# Altium PCB PCB2.PcbDoc
Units mm, origin at the board's own origin, x right, y up, seen from the top; angles counter-clockwise.
Board outline 288.16 x 236.47 mm, 2 copper layers (Top Layer, Bottom Layer); 322 components, 304 nets, 768 pads, 0 vias.
Unrouted connection lines stored in the file: 438.
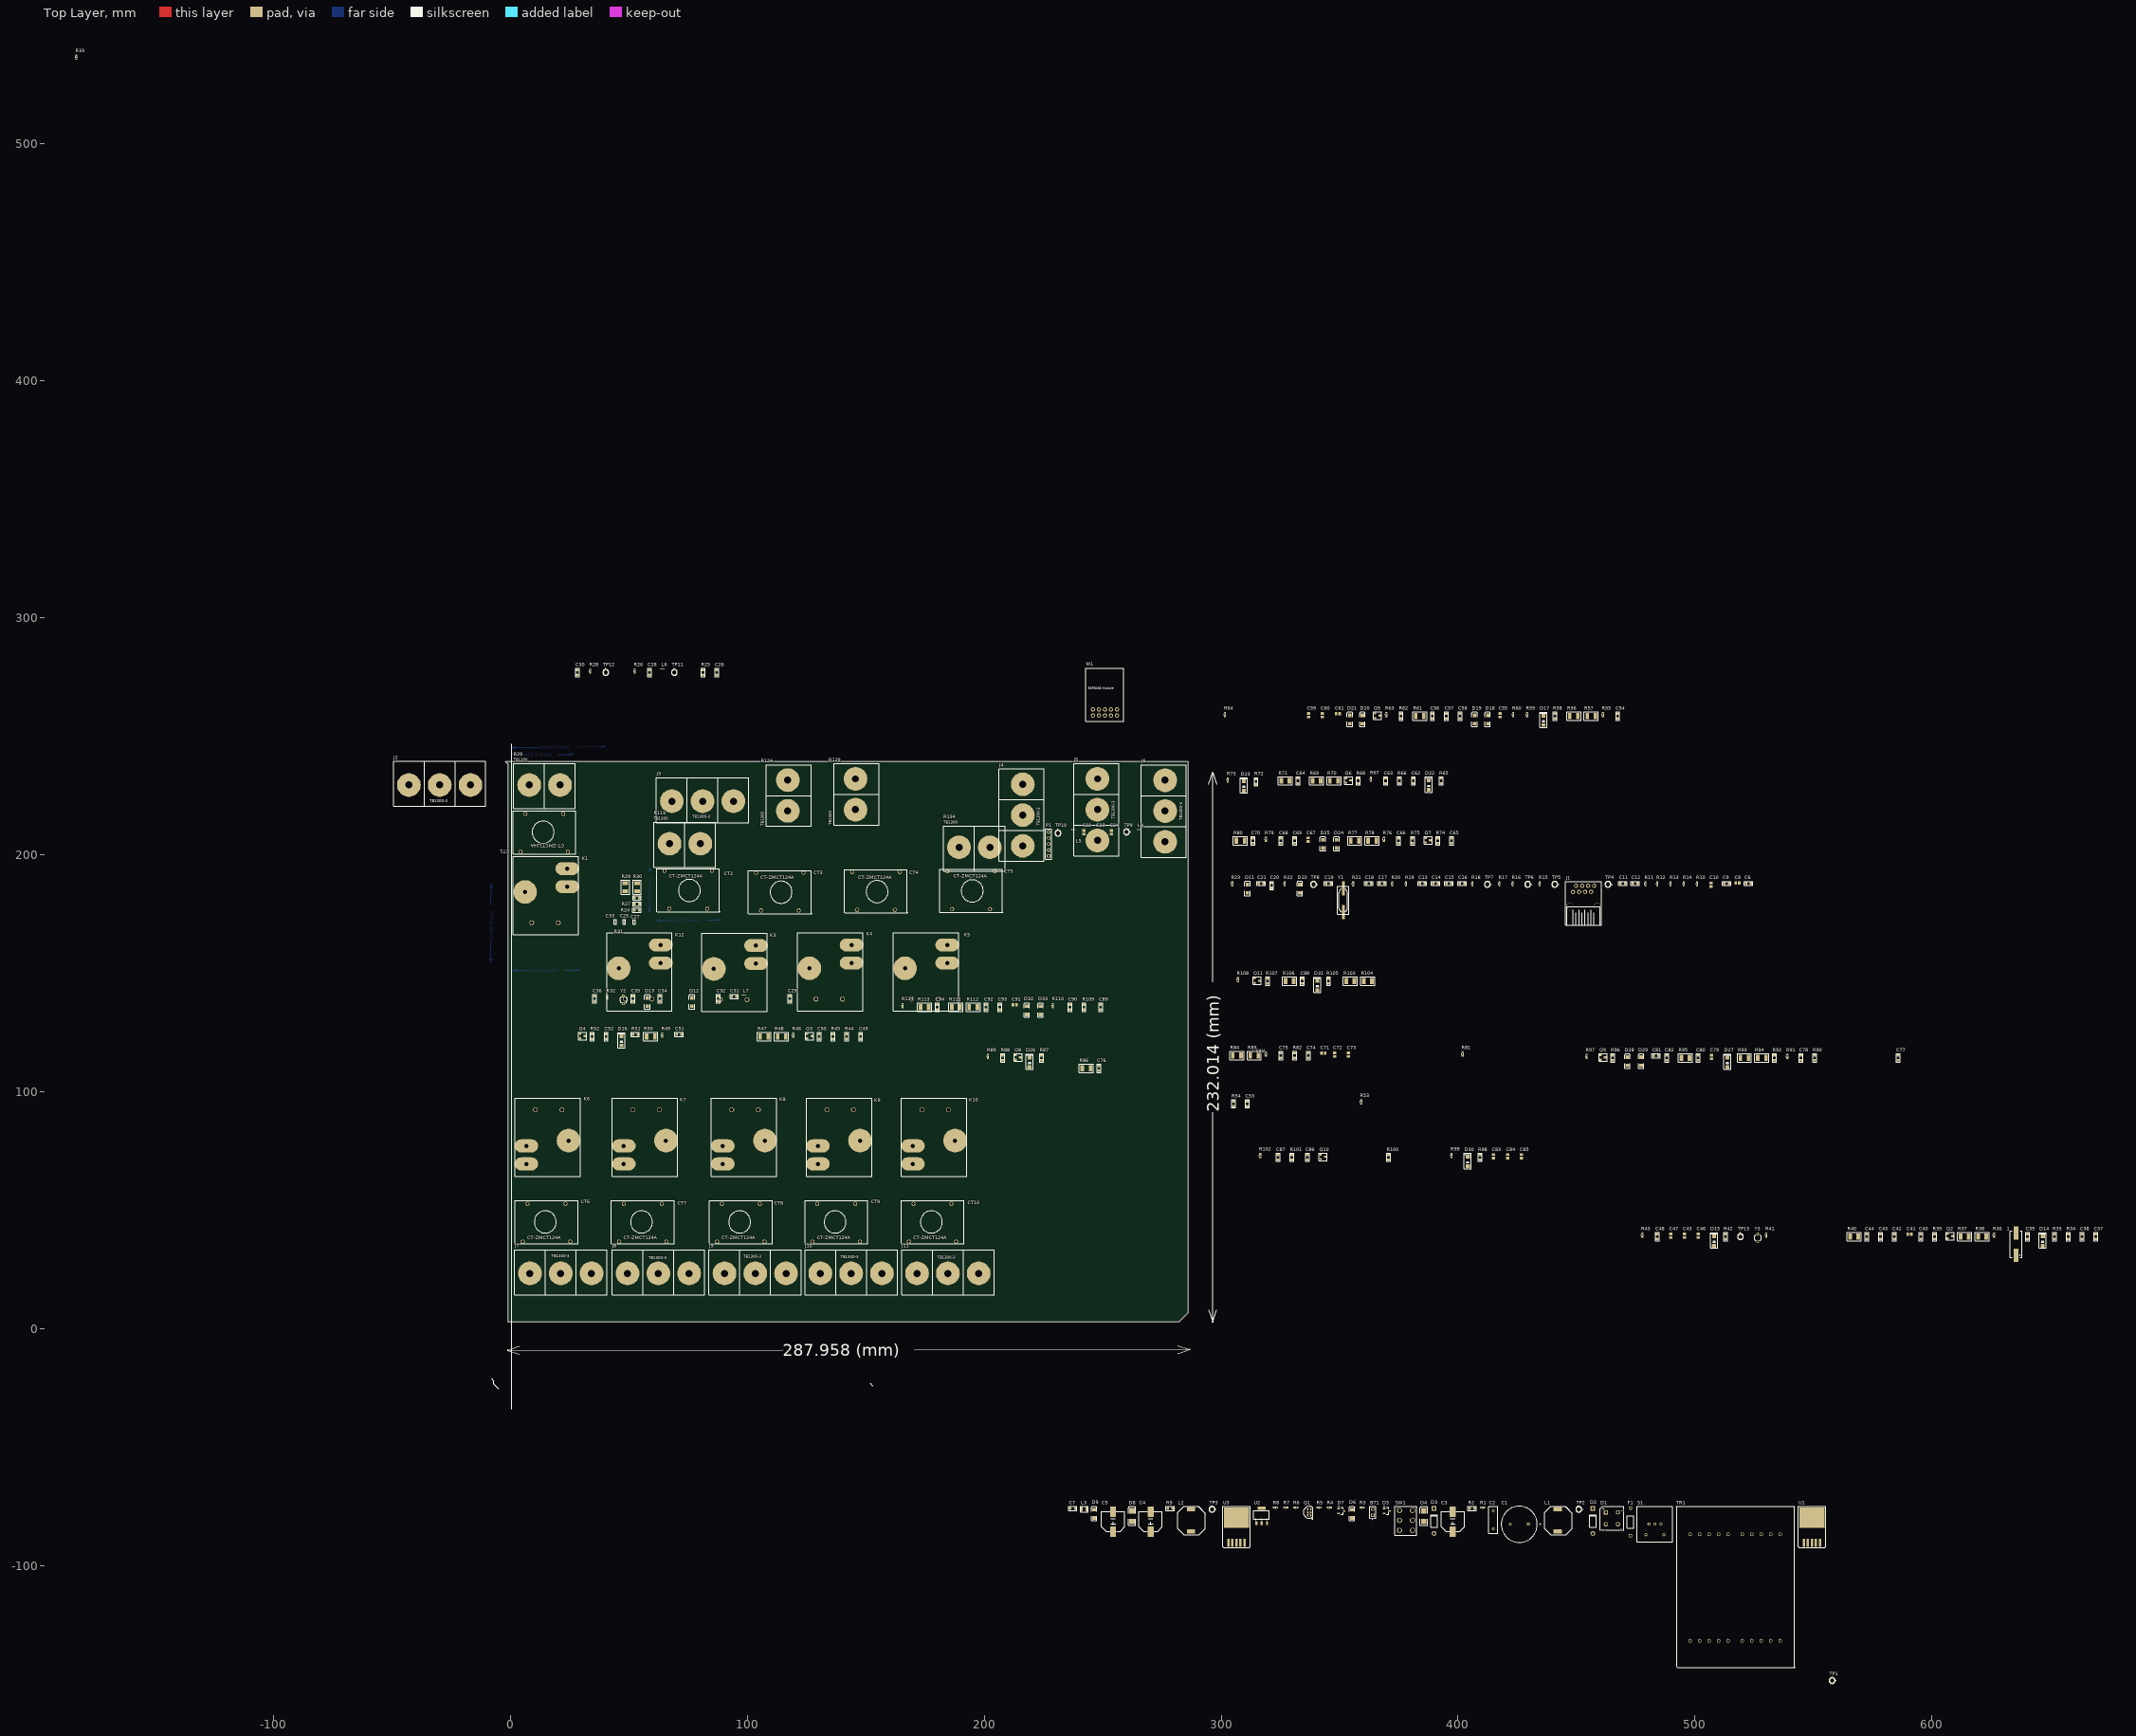
[diagram p0: Top Layer view]
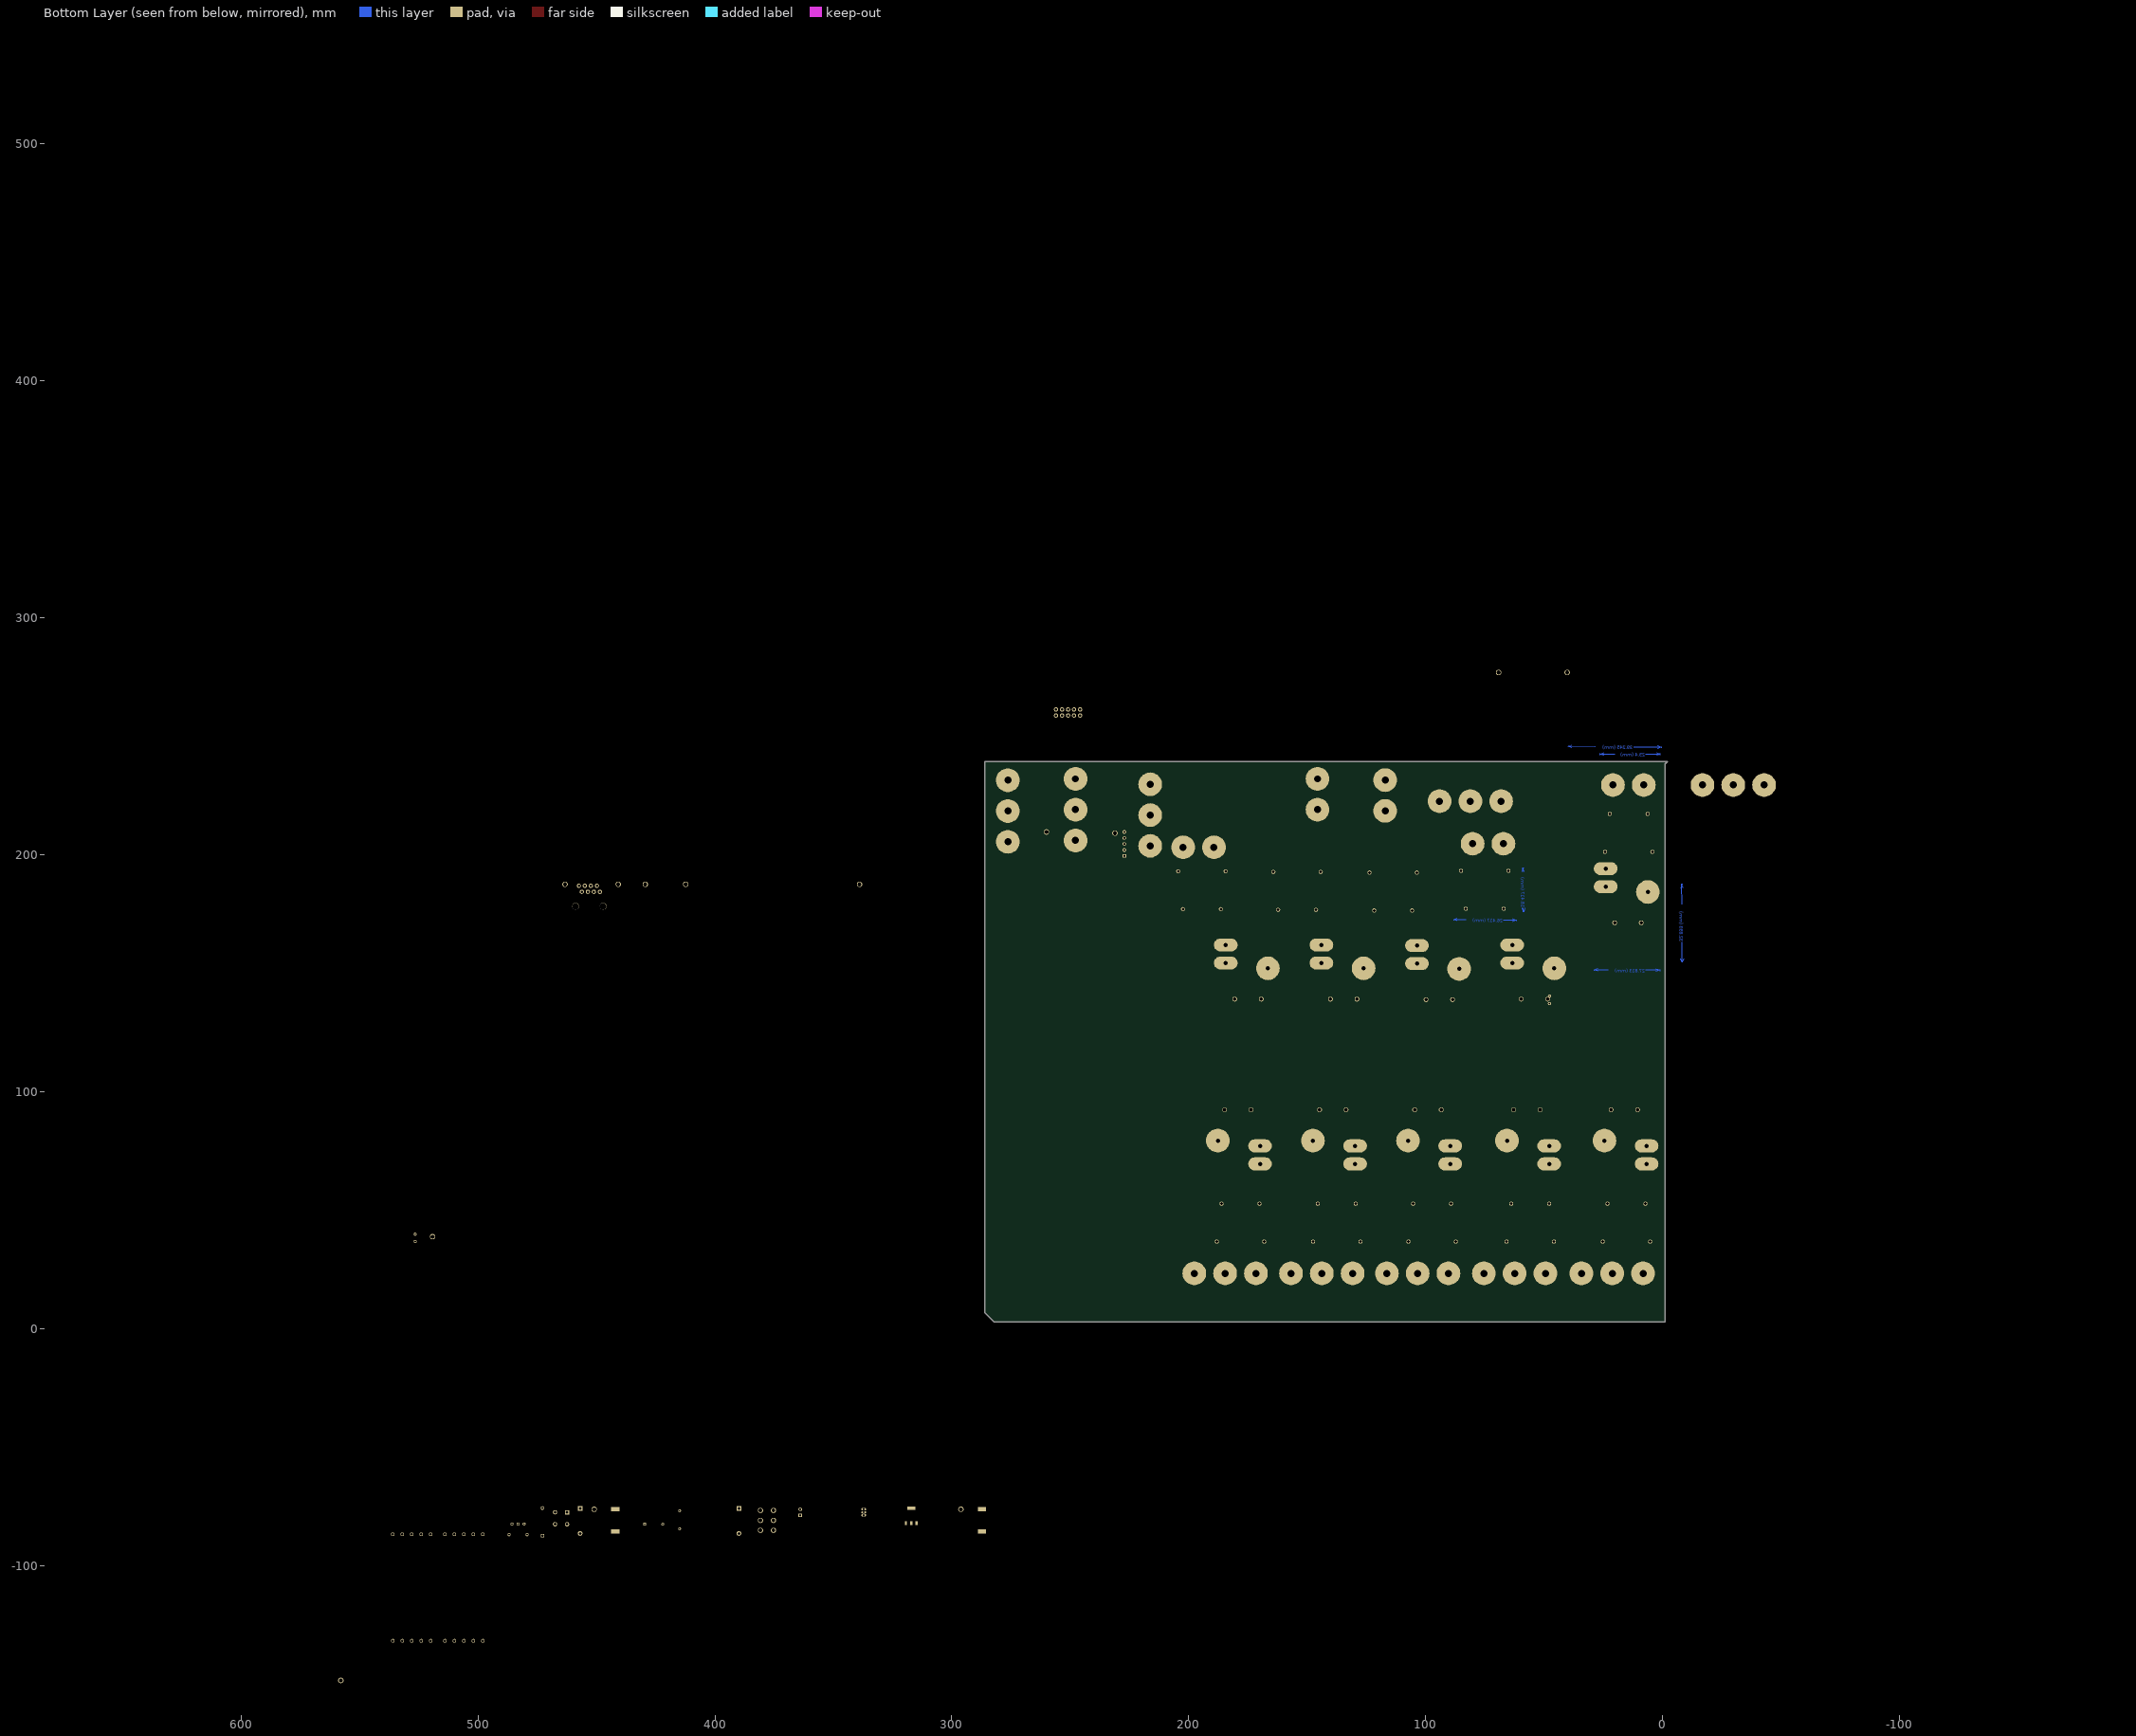
[diagram p1: Bottom Layer view, seen from below]

## Layer stack, top to bottom
Top Layer: signal copper 0.0356
Dielectric: prepreg 0.32, FR-4, Dk 4.8
Bottom Layer: signal copper 0.0356

## Board outline
1.905,239.395 286.131,239.395 286.131,6.731 285.242,5.842 282.321,2.921 -1.016,2.921 -1.016,238.379 -2.032,239.395

## Design rules (kind name [scope] priority, off if disabled: settings)
Clearance [All] p1: gap=0.254
PolygonConnect [All] p1: connectstyle=Relief reliefconductorwidth=0.254 reliefentries=4 polygonreliefangle="90 Angle" airgapwidth=0.254
RoutingVias [All] p1: holewidth=0.711 width=1.27 viastyle="Through Hole" minholewidth=0.711 minwidth=1.27 maxholewidth=0.711 maxwidth=1.27
SolderMaskExpansion [All] p1: expansion=0.102
Width [All] p1: maxlimit=0.254 minlimit=0.254 preferedwidth=0.254
28 further rules are at their usual default settings.

## Classes and differential pairs
component class Sheet1-new: BT1 C1 C2 C3 C4 C5 C6 C7 C8 C9 C10 C11 C12 C13 C14 C15 C16 C17 C18 C19 C20 C21 D1 D2 D3 D4 D5 D6 D7 D8 D9 D10 D11 F1 J1 L1 L2 L3 Q1 R1 R2 R3 R4 R5 R6 R7 R8 R9 R10 R11 R12 R13 R14 R15 R16 R17 R18 R19 R20 R21 R22 R23 S1 SW1 TP1 TP2 TP3 TP4 TP5 TP6 TP7 TP8 TR1 U1 U2 U3 U4 Y1
component class Sheet2-new: 1 C22 C23 C24 C25 C26 C27 C28 C29 C30 C31 C32 C33 C34 C35 C36 C37 C38 C39 C40 C41 C42 C43 C44 C45 C46 C47 C48 C49 C50 C51 C52 C53 C54 C55 C56 C57 C58 C59 C60 C61 C62 C63 C64 C65 C66 C67 C68 C69 C70 CT1 CT2 CT3 CT4 CT5 CT6 D12 D13 D14 D15 D16 D17 D18 D19 D20 D21 D22 D23 D24 D25 J2 J3 J4 J5 J6 J7 K1 K3 K4 K5 K12 L4 L5 L6 L7 L8 L9 L10 L11 L12 L13 L14 L15 L16 L17 L18 L19 L20 L21 L22 L23 L24 L25 L26 L27 M1 P1 Q2 Q3 Q4 Q5 Q6 Q7 R24 R25 R26 R27 R28 R29 R30 R31 R32 R33 R34 R35 R36 R37 R38 R39 R40 R41 R42 R43 R44 R45 R46 R47 R48 R49 R50 R51 R52 R53 R54 R55 R56 R57 R58 R59 R60 R61 R62 R63 R64 R65 R66 R67 R68 R69 R70 R71 R72 R73 R74 R75 R76 R77 R78 R79 R80 TP9 TP10 TP11 TP12 TP13 U5 U6 U7 U8 U9 Y2 Y3
component class Sheet3-new: C71 C72 C73 C74 C75 C76 C77 C78 C79 C80 C81 C82 C83 C84 C85 C86 C87 C88 C89 C90 C91 C92 C93 C94 CT7 CT8 CT9 CT10 D26 D27 D28 D29 D30 D31 D32 D33 J8 J9 J10 J11 L28 L29 L30 L31 L32 L33 L34 L35 L36 L37 L38 L39 L40 L41 L42 L43 M2 Q8 Q9 Q10 Q11 R81 R82 R83 R84 R85 R86 R87 R88 R89 R90 R91 R92 R93 R94 R95 R96 R97 R98 R99 R100 R101 R102 R103 R104 R105 R106 R107 R108 R109 R110 R111 R112 R113 R114 U10 U11

## Components (designator, comment, footprint, x,y, rotation, side; value= is the part's Value field where it differs from the comment)
1 "AGND" HC49/4H_SMX 635.508,35.687 r90 top
BT1 "9.0V/300mAh" BAT-2 363.982,-77.47 r90 top
C1 "2200uF/25v" RB7.6-15 425.831,-82.55 r0 top
C2 "10n" RAD-0.3 414.909,-80.645 r90 top
C3 "300uF/6.3V" PolCap1010 397.764,-77.216 r0 top
C4 "1000uF" PolCap1010 270.256,-77.216 r0 top
C5 "100uF" PolCap1010 254.381,-77.216 r0 top
C6 "100nF" 0805C-TBD 521.843,187.96 r0 top
C7 "100nF" 0805C-TBD 236.601,-75.819 r0 top
C8 "10uF/6.3V" C0805 517.906,188.087 r0 top
C9 "100nF" 0805C-TBD 512.572,187.96 r0 top
C10 "10uF/6.3V" C0805 506.73,187.452 r90 top
C11 "100nF" 0805C-TBD 468.884,187.96 r0 top
C12 "100nF" 0805C-TBD 473.964,187.96 r0 top
C13 "18pF/6.3V" 0805C-TBD 384.175,187.96 r0 top
C14 "18pF/6.3V" 0805C-TBD 389.763,187.96 r0 top
C15 "18pF/6.3V" 0805C-TBD 395.351,187.96 r0 top
C16 "18pF/6.3V" 0805C-TBD 400.939,187.96 r0 top
C17 "220nF/16V" 0805C-TBD 367.157,187.96 r0 top
C18 "220nF/16V" 0805C-TBD 361.569,187.96 r0 top
C19 "100nF/16V" 0805C-TBD 344.551,187.96 r0 top
C20 "18pF/6.3V" 0805C-TBD 321.31,186.309 r90 top
C21 "18pF/6.3V" 0805C-TBD 316.103,187.96 r0 top
C22 "4.7uF/16V" C0805 242.062,209.55 r90 top
C23 "4.7uF" C0805 247.904,209.55 r90 top
C24 "1uF/6.3V" C0805 253.746,209.55 r90 top
C25 "10n" 0402C-GENERIC 48.006,172.212 r270 top
C26 "100n" 0805C-TBD 87.122,276.225 r90 top
C27 "10n" 0402R-GENERIC 52.324,171.196 r90 top
C28 "100n" 0805C-TBD 58.674,276.225 r90 top
C29 "100n" 0805C-TBD 117.983,138.557 r90 top
C30 "100n" 0805C-TBD 28.194,276.225 r90 top
C31 "100n" 0805C-TBD 93.726,140.208 r0 top
C32 "18pF" 0805C-TBD 87.757,138.557 r90 top
C33 "10n" 0402C-GENERIC 44.323,171.196 r90 top
C34 "100n" 0805C-TBD 63.119,138.557 r90 top
C35 "100n" 0805C-TBD 51.689,138.557 r90 top
C36 "100nF" 0805C-TBD 35.433,138.557 r90 top
C37 "10n" 0805C-TBD 669.163,38.1 r90 top
C38 "18pF" 0805C-TBD 663.321,38.1 r90 top
C39 "10n" 0805C-TBD 640.334,38.1 r90 top
C40 "16pF" 0805C-TBD 595.376,38.1 r90 top
C41 "1uF" C0805 590.55,39.878 r0 top
C42 "10n" 0805C-TBD 584.2,38.1 r90 top
C43 "100n" 0805C-TBD 578.358,38.1 r90 top
C44 "100n" 0805C-TBD 572.516,38.1 r90 top
C45 "4.7uF/16V" C0805 495.554,39.243 r90 top
C46 "4.7uF" C0805 501.396,39.243 r90 top
C47 "1uF/6.3V" C0805 489.712,39.243 r90 top
C48 "16pF" 0805C-TBD 483.997,38.1 r90 top
C49 "10n" 0805C-TBD 147.828,122.555 r90 top
C50 "10n" 0805C-TBD 130.302,122.555 r90 top
C51 "10n" 0805C-TBD 70.485,124.206 r0 top
C52 ".1uF" 0805C-TBD 40.386,122.555 r90 top
C53 "10n" 0805C-TBD 311.023,94.234 r90 top
C54 "10n" 0805C-TBD 467.36,257.81 r90 top
C55 "1uF" C0805 417.703,258.953 r90 top
C56 "10n" 0805C-TBD 389.128,257.81 r90 top
C57 "100n" 0805C-TBD 394.97,257.81 r90 top
C58 "100n" 0805C-TBD 400.812,257.81 r90 top
C59 "4.7uF/16V" C0805 336.931,258.953 r90 top
C60 "4.7uF" C0805 342.773,258.953 r90 top
C61 "1uF/6.3V" C0805 349.25,259.588 r0 top
C62 "10n" 0805C-TBD 381.127,230.505 r90 top
C63 "10n" 0805C-TBD 369.443,230.505 r90 top
C64 "10n" 0805C-TBD 332.359,230.505 r90 top
C65 "10n" 0805C-TBD 397.256,205.232 r90 top
C66 "10n" 0805C-TBD 374.904,205.232 r90 top
C67 "1uF" C0805 336.677,206.375 r90 top
C68 "100n" 0805C-TBD 325.12,205.232 r90 top
C69 "100n" 0805C-TBD 330.962,205.232 r90 top
C70 "10n" 0805C-TBD 313.436,205.232 r90 top
C71 "4.7uF/16V" C0805 343.154,116.332 r0 top
C72 "4.7uF" C0805 347.853,115.697 r90 top
C73 "1uF/6.3V" C0805 353.695,115.697 r90 top
C74 "10n" 0805C-TBD 336.804,114.554 r90 top
C75 "10n" 0805C-TBD 325.12,114.554 r90 top
C76 "10n" 0805C-TBD 248.412,109.093 r90 top
C77 "10n" 0805C-TBD 585.724,113.538 r90 top
C78 "10n" 0805C-TBD 544.703,113.538 r90 top
C79 "1uF" C0805 506.984,114.681 r90 top
C80 "10n" 0805C-TBD 501.269,113.538 r90 top
C81 "100n" 0805C-TBD 482.854,115.189 r0 top
C82 "100n" 0805C-TBD 488.061,113.538 r90 top
C83 "4.7uF/16V" C0805 415.036,72.771 r90 top
C84 "4.7uF" C0805 420.878,72.771 r90 top
C85 "1uF/6.3V" C0805 426.72,72.771 r90 top
C86 "10n" 0805C-TBD 336.423,71.628 r90 top
C87 "10n" 0805C-TBD 323.977,71.628 r90 top
C88 "10n" 0805C-TBD 334.137,145.923 r90 top
C89 "10n" 0805C-TBD 249.181,135.017 r90 top
C90 "10n" 0805C-TBD 236.227,135.017 r90 top
C91 "1uF" C0805 212.859,136.795 r0 top
C92 "100n" 0805C-TBD 200.667,135.017 r90 top
C93 "100n" 0805C-TBD 206.509,135.017 r90 top
C94 "10n" 0805C-TBD 180.093,135.017 r90 top
CT1 "CurrentTransf" CT-ZMCT124 6.318,217.295 r0 top
CT2 "CurrentTransf" CT-ZMCT124 83.058,177.292 r180 top
CT3 "CurrentTransf" CT-ZMCT124 121.759,176.532 r180 top
CT4 "CurrentTransf" CT-ZMCT124 162.272,176.786 r180 top
CT5 "CurrentTransf" CT-ZMCT124 202.438,177.106 r180 top
CT6 "CurrentTransf" CT-ZMCT124 7.241,52.744 r0 top
CT7 "CurrentTransf" CT-ZMCT124 47.847,52.744 r0 top
CT8 "CurrentTransf" CT-ZMCT124 89.283,52.744 r0 top
CT9 "CurrentTransf" CT-ZMCT124 129.542,52.744 r0 top
CT10 "CurrentTransf" CT-ZMCT124 170.182,52.744 r0 top
D1 "DF005S2" D-38 464.947,-80.01 r0 top
D2 "1N5400/3A" DO-41 456.946,-81.153 r90 top
D3 "1N5400/3A" DO-41 389.89,-81.153 r90 top
D4 "1N5819" SMB 385.572,-79.121 r90 top
D5 "BAS116" SOT-23_N 369.951,-76.962 r0 top
D6 "LED2" 3.2X1.6X1.1 355.219,-78.105 r90 top
D7 "BAS116" SOT-23_N 350.774,-76.962 r0 top
D8 "1N5819" SMB 262.382,-79.121 r90 top
D9 "LED2" 3.2X1.6X1.1 246.38,-78.105 r90 top
D10 "LED2" 3.2X1.6X1.1 333.248,185.674 r90 top
D11 "LED2" 3.2X1.6X1.1 311.15,185.674 r90 top
D12 "LED2" 3.2X1.6X1.1 76.581,137.922 r90 top
D13 "LED2" 3.2X1.6X1.1 57.785,137.922 r90 top
D14 "1N4001" DO-214AC 646.811,35.052 r90 top
D15 "1N4001" DO-214AC 508,35.052 r90 top
D16 "1N4001" DO-214AC 46.863,119.507 r90 top
D17 "1N4001" DO-214AC 435.991,254.762 r90 top
D18 "LED2" 3.2X1.6X1.1 412.496,257.175 r90 top
D19 "LED2" 3.2X1.6X1.1 406.908,257.175 r90 top
D20 "LED2" 3.2X1.6X1.1 359.664,257.175 r90 top
D21 "LED2" 3.2X1.6X1.1 354.33,257.175 r90 top
D22 "1N4001" DO-214AC 387.604,227.457 r90 top
D23 "1N4001" DO-214AC 309.626,227.076 r90 top
D24 "LED2" 3.2X1.6X1.1 348.742,204.597 r90 top
D25 "LED2" 3.2X1.6X1.1 342.9,204.597 r90 top
D26 "1N4001" DO-214AC 219.075,110.49 r90 top
D27 "1N4001" DO-214AC 513.715,110.49 r90 top
D28 "LED2" 3.2X1.6X1.1 471.424,112.903 r90 top
D29 "LED2" 3.2X1.6X1.1 477.266,112.903 r90 top
D30 "1N4001" DO-214AC 404.114,68.58 r90 top
D31 "1N4001" DO-214AC 340.614,142.875 r90 top
D32 "LED2" 3.2X1.6X1.1 217.939,134.382 r90 top
D33 "LED2" 3.2X1.6X1.1 223.781,134.382 r90 top
F1 "2A/250 AC" PIN-W2/E2.8 472.821,-81.534 r90 top
J1 "RJ45-GENERIC" RJ45-8/8 457.454,186.944 r90 top
J2 "TB1300" TB_1300-0-c-3pins -16.845,229.489 r180 top
J3 "TB1300" TB_1300-0-c-3pins 94.153,222.632 r180 top
J4 "TB1300" TB_1300-0-c-3pins 216.281,229.789 r270 top
J5 "TB1300" TB_1300-0-c-3pins 247.777,232.075 r270 top
J6 "TB1300" TB_1300-0-c-3pins 276.352,231.521 r270 top
J7 "TB1300" TB_1300-0-c-3pins 34.255,23.344 r180 top
J8 "TB1300" TB_1300-0-c-3pins 75.438,23.344 r180 top
J9 "TB1300" TB_1300-0-c-3pins 116.378,23.344 r180 top
J10 "TB1300" TB_1300-0-c-3pins 156.845,23.344 r180 top
J11 "TB1300" TB_1300-0-c-3pins 197.658,23.344 r180 top
K1 "JQX-16F" JQX-16f 20.203,171.343 r180 top
K3 "JQX-16F" JQX-16f 99.852,138.892 r180 top
K4 "JQX-16F" JQX-16f 140.208,139.121 r180 top
K5 "JQX-16F" JQX-16f 180.604,139.121 r180 top
K6 "JQX-16F" JQX-16f 10.541,92.399 r0 top
K7 "JQX-16F" JQX-16f 51.679,92.399 r0 top
K8 "JQX-16F" JQX-16f 93.442,92.399 r0 top
K9 "JQX-16F" JQX-16f 133.594,92.399 r0 top
K10 "JQX-16F" JQX-16f 173.706,92.399 r0 top
K12 "JQX-16F" JQX-16f 59.69,139.121 r180 top
L1 "330uH" PowerInductor 442.087,-85.598 r0 top
L2 "100uH" PowerInductor 287.274,-85.598 r0 top
L3 "FB1" TOKO-DFE252012C-1U 244.475,-77.089 r0 top
L4 "FeILB" 0603 265.684,210.693 r0 top
L5 "FeILB" 0603 237.998,210.693 r0 top
L6 "FeILB" 0603 64.516,278.511 r0 top
L7 "FeILB" 0603 98.933,140.843 r0 top
M1 "ESP 8266-12" ESP_1 245.872,258.826 r0 top
P1 "Header 5" HDR1X5 227.203,199.517 r90 top
Q1 "2N3904" TO-92A 337.185,-77.47 r0 top
Q2 "MMBT2222" SOT23-BCE 606.679,40.005 r0 top
Q3 "MMBT2222" SOT23-BCE 125.222,124.46 r0 top
Q4 "MMBT2222" SOT23-BCE 29.464,124.46 r0 top
Q5 "MMBT2222" SOT23-BCE 364.998,259.715 r0 top
Q6 "MMBT2222" SOT23-BCE 352.679,232.41 r0 top
Q7 "MMBT2222" SOT23-BCE 386.334,207.137 r0 top
Q8 "MMBT2222" SOT23-BCE 213.233,115.443 r0 top
Q9 "MMBT2222" SOT23-BCE 460.121,115.443 r0 top
Q10 "MMBT2222" SOT23-BCE 342.011,73.533 r0 top
Q11 "MMBT2222" SOT23-BCE 314.198,147.828 r0 top
R1 "1K/1%/.125W" J1-0603 410.337,-75.438 r0 top
R2 "45" 0805R-68 405.13,-75.819 r0 top
R3 "100K" J1-0603 359.537,-75.438 r0 top
R4 "100K" J1-0603 345.694,-75.438 r0 top
R5 "2K/1%/.125" J1-0603 341.376,-75.438 r0 top
R6 "10" J1-0603 331.597,-75.438 r0 top
R7 "10K" J1-0603 327.279,-75.438 r0 top
R8 "2K" J1-0603 322.961,-75.438 r0 top
R9 "45" 0805R-68 277.749,-75.819 r0 top
R10 "1.5K" J1-0603 500.888,187.706 r90 top
R11 "49.9" J1-0603 479.044,187.706 r90 top
R12 "49.9" J1-0603 484.124,187.706 r90 top
R13 "49.9" J1-0603 489.712,187.706 r90 top
R14 "49.9" J1-0603 495.3,187.706 r90 top
R15 "100" J1-0603 434.467,187.706 r90 top
R16 "100" J1-0603 423.037,187.706 r90 top
R17 "100" J1-0603 417.449,187.706 r90 top
R18 "100" J1-0603 406.019,187.706 r90 top
R19 "33" J1-0603 378.079,187.706 r90 top
R20 "4.7k" J1-0603 372.237,187.706 r90 top
R21 "12.1k" J1-0603 355.727,187.706 r90 top
R22 "200/1%/.125W" J1-0603 326.771,187.706 r90 top
R23 "200/1%/.125W" J1-0603 304.673,187.706 r90 top
R24 "1K" 0805C-GENERIC 52.578,176.657 r0 top
R25 "18.75" 0805R-10 81.28,276.225 r90 top